# Altium PCB BW1098OBC.PcbDoc (part 3 of 3)
Units mm, origin at the board's own origin, x right, y up, seen from the top; angles counter-clockwise.
Board outline 100 x 46 mm, 4 copper layers (Top Copper, Layer 2, Layer 3, Bottom Layer), stack 1.577 mm thick; 138 components, 116 nets, 517 pads, 385 vias.
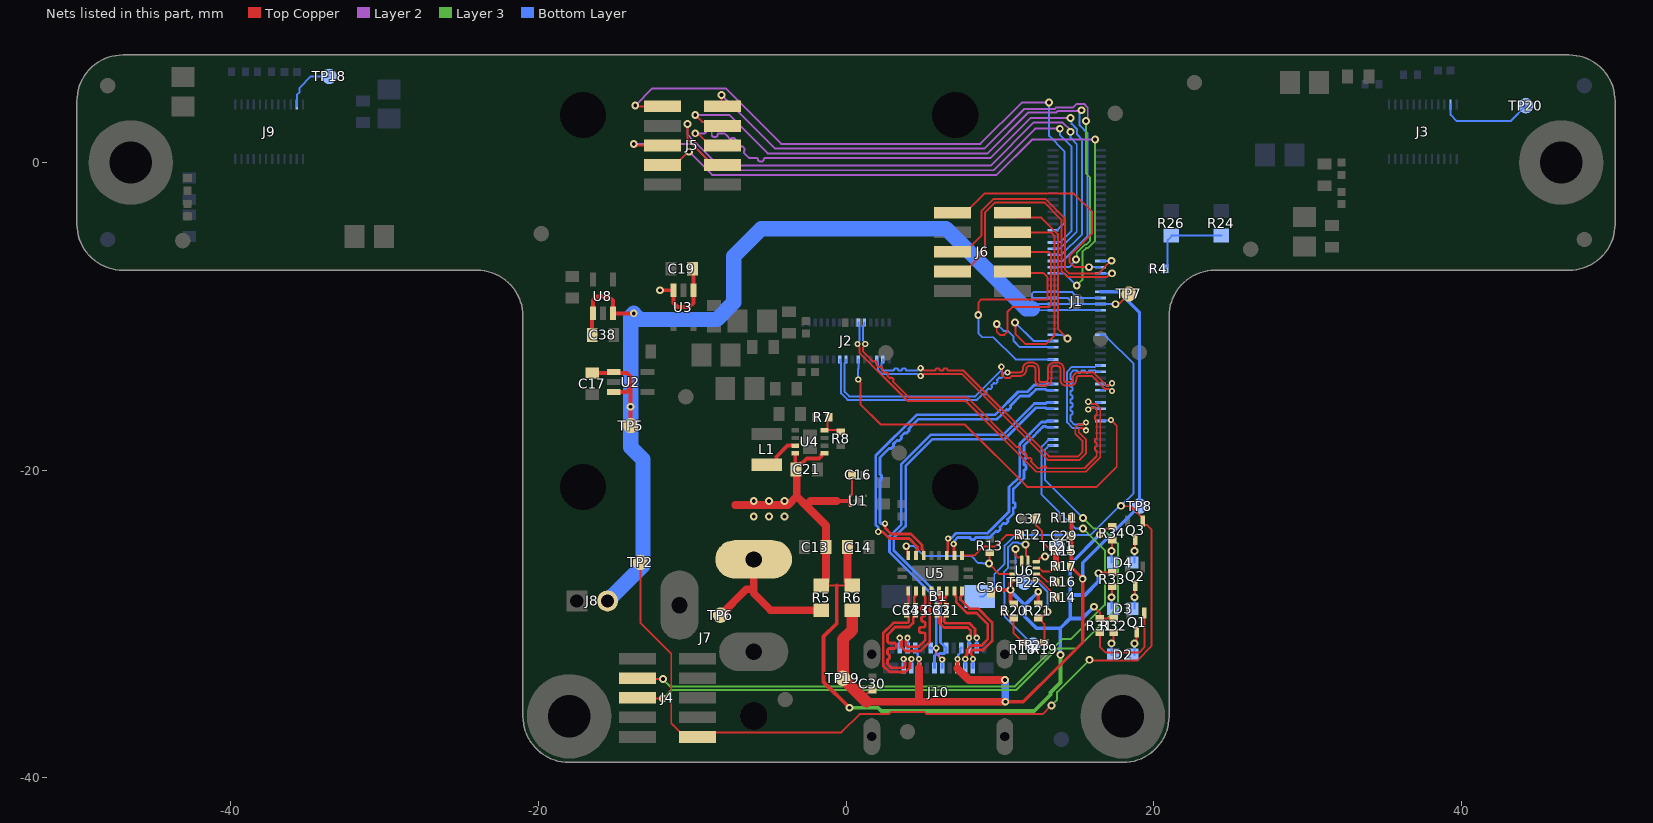
[diagram p5: the nets of this part, all layers, seen from the top]

## Via types
v1: diameter 0.508, hole 0.254, Top Copper to Bottom Layer, tented both sides, 256 vias
v2: diameter 0.406, hole 0.203, Top Copper to Bottom Layer, tented both sides, 111 vias
v3: diameter 0.508, hole 0.254, Top Copper to Bottom Layer, 16 vias
v4: diameter 0.3, hole 0.203, Top Copper to Bottom Layer, 2 vias

## Nets (pads, with @x,y where several pads share a name; then routed paths per layer and width w, separated by ;. In a path a pad name is that pad's centre, name@x,y a point inside that pad or via, vN(x,y) a via of type N, cw(c..) or ccw(c..) an arc to the next point about the centre after c; other vN are vias at no path point) (continued)
MIPI_RX4_D0_P: J1.11 J2.6 | length 26.3
  Top Copper w0.127: v2(0.8,-14.1) 0.8,-14.16 0.954,-14.314 0.954,-15.731 2.252,-17.029 7.729,-17.029 11.779,-21.079 16.296,-21.079 17.6,-19.775 17.6,-17.104 17.24,-16.743 v2(17.223,-16.743)
  Bottom Layer w0.127: v2(0.8,-14.1) 0.788,-14.088 0.788,-13.403 0.8,-13.391 J2.6@0.8,-12.8 ; J1.11@16.54,-16.8 16.566,-16.773 17.192,-16.773 v2(17.223,-16.743)
MIPI_RX4_D1_N: J1.15 J2.26 | length 26.9
  Top Copper w0.127: v2(1.253,-11.796) 1.253,-11.871 1.114,-12.01 1.114,-12.291 1.712,-12.888 1.758,-12.935 ccw(c1.785,-12.908) 1.812,-12.935 cw(c1.875,-12.998) 1.938,-12.935 1.992,-12.989 cw(c1.929,-13.052) 1.992,-13.114 ccw(c2.018,-13.141) 1.992,-13.168 2.117,-13.294 ccw(c2.144,-13.267) 2.171,-13.294 cw(c2.234,-13.357) 2.297,-13.294 2.351,-13.348 cw(c2.288,-13.411) 2.351,-13.474 ccw(c2.378,-13.501) 2.351,-13.527 2.476,-13.653 ccw(c2.503,-13.626) 2.53,-13.653 cw(c2.593,-13.716) 2.656,-13.653 2.71,-13.707 cw(c2.647,-13.77) 2.71,-13.833 ccw(c2.737,-13.86) 2.71,-13.887 2.836,-14.012 ccw(c2.863,-13.985) 2.89,-14.012 cw(c2.952,-14.075) 3.015,-14.012 3.069,-14.066 cw(c3.006,-14.129) 3.069,-14.192 ccw(c3.096,-14.219) 3.069,-14.246 3.222,-14.399 3.312,-14.488 4.095,-15.271 7.871,-15.271 11,-18.4 11.097,-18.497 ccw(c11.124,-18.47) 11.151,-18.497 cw(c11.214,-18.56) 11.277,-18.497 11.331,-18.551 cw(c11.268,-18.614) 11.331,-18.677 ccw(c11.358,-18.704) 11.331,-18.731 11.457,-18.857 ccw(c11.484,-18.83) 11.511,-18.857 cw(c11.573,-18.919) 11.636,-18.857 11.69,-18.911 cw(c11.627,-18.973) 11.69,-19.036 ccw(c11.717,-19.063) 11.69,-19.09 11.816,-19.216 ccw(c11.843,-19.189) 11.87,-19.216 cw(c11.933,-19.279) 11.995,-19.216 12.049,-19.27 cw(c11.986,-19.333) 12.049,-19.395 ccw(c12.076,-19.422) 12.049,-19.449 12.202,-19.602 12.382,-19.782 12.471,-19.871 12.511,-19.871 12.727,-19.871 ccw(c12.727,-19.833) 12.765,-19.833 cw(c12.854,-19.833) 12.854,-19.744 12.93,-19.744 cw(c12.93,-19.833) 13.019,-19.833 ccw(c13.057,-19.833) 13.057,-19.871 13.273,-19.871 13.4,-19.871 15.505,-19.871 16.3,-19.077 16.3,-19 16.3,-18.971 16.3,-18.755 ccw(c16.262,-18.755) 16.262,-18.717 cw(c16.262,-18.628) 16.173,-18.628 16.173,-18.552 cw(c16.262,-18.552) 16.262,-18.463 ccw(c16.262,-18.425) 16.3,-18.425 16.3,-18.247 ccw(c16.262,-18.247) 16.262,-18.209 cw(c16.262,-18.12) 16.173,-18.12 16.173,-18.044 cw(c16.262,-18.044) 16.262,-17.955 ccw(c16.262,-17.917) 16.3,-17.917 16.3,-17.701 16.3,-17.574 16.3,-16.822 16.3,-16.744 ccw(c16.262,-16.744) 16.262,-16.705 cw(c16.262,-16.617) 16.173,-16.617 16.173,-16.54 cw(c16.262,-16.54) 16.262,-16.451 ccw(c16.262,-16.413) 16.3,-16.413 16.3,-16.197 16.3,-16.07 16.144,-15.914 15.964,-15.914 15.825,-16.053 v2(15.75,-16.053)
  Bottom Layer w0.127: J2.26@1.2,-10.4 1.2,-10.54 1.114,-10.626 1.114,-10.889 1.114,-11.582 1.253,-11.721 v2(1.253,-11.796) ; v2(15.75,-16.053) 15.825,-16.053 15.964,-15.914 16.194,-15.914 16.28,-16 J1.15@16.54,-16
MIPI_RX4_D1_P: J1.17 J2.25 | length 26.4
  Top Copper w0.127: v2(0.747,-11.796) 0.747,-11.871 0.886,-12.01 0.886,-12.386 4,-15.5 7.777,-15.5 12.377,-20.1 15.6,-20.1 16.529,-19.171 16.529,-15.976 16.238,-15.686 15.964,-15.686 15.825,-15.547 v2(15.75,-15.547)
  Bottom Layer w0.127: v2(0.747,-11.796) 0.747,-11.721 0.886,-11.582 0.886,-10.984 0.886,-10.626 0.8,-10.54 J2.25@0.8,-10.4 ; v2(15.75,-15.547) 15.825,-15.547 15.964,-15.686 16.194,-15.686 16.28,-15.6 J1.17@16.54,-15.6
MIPI_RX5_D0_N: J1.21 J2.8 | length 26.4
  Top Copper w0.127: v2(10.1,-13.276) 10.069,-13.307 10.069,-13.425 10.133,-13.489 10.133,-13.793 10.348,-14.008 10.652,-14.008 10.79,-13.87 11.322,-13.87 ccw(c11.322,-13.471) 11.721,-13.471 11.721,-13.405 cw(c11.891,-13.405) 11.891,-13.235 12.135,-13.235 cw(c12.135,-13.405) 12.305,-13.405 12.305,-14.106 ccw(c12.704,-14.106) 12.704,-14.505 12.948,-14.505 ccw(c12.948,-14.106) 13.346,-14.106 13.346,-13.405 cw(c13.516,-13.405) 13.516,-13.235 13.76,-13.235 cw(c13.76,-13.405) 13.931,-13.405 13.931,-14.106 ccw(c14.329,-14.106) 14.329,-14.505 14.573,-14.505 ccw(c14.573,-14.106) 14.972,-14.106 14.972,-14.04 cw(c15.142,-14.04) 15.142,-13.87 15.97,-13.87 16.814,-14.714 17.086,-14.714 17.225,-14.853 v2(17.3,-14.853)
  Bottom Layer w0.127: J2.8@0,-12.8 0,-12.94 -0.086,-13.026 -0.086,-14.914 0.2,-15.2 8.416,-15.2 10.069,-13.547 10.069,-13.307 v2(10.1,-13.276) ; J1.21@16.54,-14.8 16.8,-14.8 16.886,-14.714 17.086,-14.714 17.225,-14.853 v2(17.3,-14.853)
MIPI_RX5_D0_P: J1.23 J2.9 | length 26.5
  Top Copper w0.127: v2(10.5,-13.641) 10.79,-13.641 11.322,-13.641 ccw(c11.322,-13.471) 11.492,-13.471 11.492,-13.405 cw(c11.891,-13.405) 11.891,-13.006 12.135,-13.006 cw(c12.135,-13.405) 12.534,-13.405 12.534,-14.106 ccw(c12.704,-14.106) 12.704,-14.276 12.948,-14.276 ccw(c12.948,-14.106) 13.118,-14.106 13.118,-13.405 cw(c13.516,-13.405) 13.516,-13.006 13.76,-13.006 cw(c13.76,-13.405) 14.159,-13.405 14.159,-14.106 ccw(c14.329,-14.106) 14.329,-14.276 14.573,-14.276 ccw(c14.573,-14.106) 14.743,-14.106 14.743,-14.04 cw(c15.142,-14.04) 15.142,-13.641 16.064,-13.641 16.909,-14.486 17.086,-14.486 17.225,-14.347 v2(17.3,-14.347)
  Bottom Layer w0.127: J2.9@-0.4,-12.8 -0.4,-12.94 -0.314,-13.026 -0.314,-15.009 0.105,-15.429 8.2,-15.429 8.384,-15.429 8.511,-15.429 8.542,-15.398 8.721,-15.218 8.874,-15.065 cw(c8.901,-15.092) 8.928,-15.065 ccw(c8.991,-15.003) 9.053,-15.065 9.107,-15.012 ccw(c9.044,-14.949) 9.107,-14.886 cw(c9.134,-14.859) 9.107,-14.832 9.233,-14.706 cw(c9.26,-14.733) 9.287,-14.706 ccw(c9.35,-14.643) 9.413,-14.706 9.467,-14.652 ccw(c9.404,-14.59) 9.467,-14.527 cw(c9.493,-14.5) 9.467,-14.473 9.592,-14.347 cw(c9.619,-14.374) 9.646,-14.347 ccw(c9.709,-14.284) 9.772,-14.347 9.826,-14.293 ccw(c9.763,-14.23) 9.826,-14.167 cw(c9.853,-14.141) 9.826,-14.114 9.951,-13.988 cw(c9.978,-14.015) 10.005,-13.988 ccw(c10.068,-13.925) 10.131,-13.988 10.185,-13.934 ccw(c10.122,-13.871) 10.185,-13.808 cw(c10.212,-13.781) 10.185,-13.754 10.248,-13.692 10.449,-13.692 v2(10.5,-13.641) ; J1.23@16.54,-14.4 16.8,-14.4 16.886,-14.486 17.086,-14.486 17.225,-14.347 v2(17.3,-14.347)
MIPI_RX5_D1_N: J1.27 J2.2 | length 26.8
  Top Copper w0.127: v2(4.852,-13.367) 4.927,-13.367 5.066,-13.506 5.7,-13.506 5.789,-13.506 ccw(c5.789,-13.467) 5.827,-13.467 cw(c5.916,-13.467) 5.916,-13.379 5.992,-13.379 cw(c5.992,-13.467) 6.081,-13.467 ccw(c6.119,-13.467) 6.119,-13.506 6.297,-13.506 ccw(c6.297,-13.467) 6.335,-13.467 cw(c6.424,-13.467) 6.424,-13.379 6.5,-13.379 cw(c6.5,-13.467) 6.589,-13.467 ccw(c6.627,-13.467) 6.627,-13.506 6.7,-13.506 7.606,-13.506 13.2,-19.1 15.1,-19.1 15.371,-18.829 15.371,-18.085 14.903,-17.617 14.903,-17.247 15.112,-17.039 15.386,-17.039 15.525,-16.9 v2(15.6,-16.9)
  Bottom Layer w0.127: J2.2@2.4,-12.8 2.4,-12.94 2.314,-13.026 2.314,-13.414 2.406,-13.506 3,-13.506 3.089,-13.506 ccw(c3.089,-13.467) 3.127,-13.467 cw(c3.216,-13.467) 3.216,-13.379 3.292,-13.379 cw(c3.292,-13.467) 3.381,-13.467 ccw(c3.419,-13.467) 3.419,-13.506 3.597,-13.506 ccw(c3.597,-13.467) 3.635,-13.467 cw(c3.724,-13.467) 3.724,-13.379 3.8,-13.379 cw(c3.8,-13.467) 3.889,-13.467 3.889,-13.506 3.9,-13.506 4.638,-13.506 4.776,-13.367 v2(4.852,-13.367) ; v2(15.6,-16.9) 15.525,-16.9 15.386,-17.039 14.839,-17.039 14.6,-16.8 14.6,-16.5 14.6,-16.435 cw(c14.638,-16.435) 14.638,-16.397 ccw(c14.638,-16.308) 14.727,-16.308 14.727,-16.232 ccw(c14.638,-16.232) 14.638,-16.143 cw(c14.638,-16.105) 14.6,-16.105 14.6,-15.927 cw(c14.638,-15.927) 14.638,-15.889 ccw(c14.638,-15.8) 14.727,-15.8 14.727,-15.724 ccw(c14.638,-15.724) 14.638,-15.635 cw(c14.638,-15.597) 14.6,-15.597 14.6,-15.419 cw(c14.638,-15.419) 14.638,-15.381 ccw(c14.638,-15.292) 14.727,-15.292 14.727,-15.216 ccw(c14.638,-15.216) 14.638,-15.127 cw(c14.638,-15.089) 14.6,-15.089 14.6,-15 14.6,-14.881 cw(c14.638,-14.881) 14.638,-14.843 ccw(c14.638,-14.754) 14.727,-14.754 14.727,-14.678 ccw(c14.638,-14.678) 14.638,-14.589 cw(c14.638,-14.551) 14.6,-14.551 14.6,-14.373 cw(c14.638,-14.373) 14.638,-14.335 ccw(c14.638,-14.246) 14.727,-14.246 14.727,-14.17 ccw(c14.638,-14.17) 14.638,-14.081 cw(c14.638,-14.043) 14.6,-14.043 14.6,-13.827 14.6,-13.7 14.786,-13.514 15,-13.514 cw(c15,-13.552) 15.038,-13.552 ccw(c15.127,-13.552) 15.127,-13.641 15.203,-13.641 ccw(c15.203,-13.552) 15.292,-13.552 cw(c15.33,-13.552) 15.33,-13.514 15.508,-13.514 cw(c15.508,-13.552) 15.546,-13.552 ccw(c15.635,-13.552) 15.635,-13.641 15.711,-13.641 ccw(c15.711,-13.552) 15.8,-13.552 cw(c15.838,-13.552) 15.838,-13.514 15.927,-13.514 16.194,-13.514 16.28,-13.6 J1.27@16.54,-13.6
MIPI_RX5_D1_P: J1.29 J2.3 | length 26.4
  Top Copper w0.127: v2(4.852,-13.873) 4.927,-13.873 5.066,-13.734 7.511,-13.734 13.105,-19.329 15.195,-19.329 15.6,-18.923 15.6,-17.991 15.132,-17.523 15.132,-17.342 15.206,-17.267 15.386,-17.267 15.525,-17.406 v2(15.6,-17.406)
  Bottom Layer w0.127: J2.3@2,-12.8 2,-12.94 2.086,-13.026 2.086,-13.509 2.311,-13.734 4.638,-13.734 4.776,-13.873 v2(4.852,-13.873) ; v2(15.6,-17.406) 15.525,-17.406 15.386,-17.267 14.744,-17.267 14.371,-16.895 14.371,-13.605 14.691,-13.286 15.832,-13.286 16.194,-13.286 16.28,-13.2 J1.29@16.54,-13.2
MODULE_nRST: B1.2 J1.39 J4.1 Q3.1 TP2.1 | length 81.4
  Top Copper w0.127: TP2.1@-13.372,-25.993 -13.372,-29.928 -11.36,-31.94 -11.36,-36.45 -10.47,-37.34 J4.1@-9.65,-37.34 -9.349,-37.039 -0.295,-37.039 0.882,-35.862 2.781,-35.862 2.938,-35.704 5.1,-35.704 5.258,-35.862 12.787,-35.862 v1(13.355,-35.295) ; v1(15.832,-32.326) 15.878,-32.372 18.919,-32.372 19.866,-31.426 19.866,-23.856 19.56,-23.55 19.386,-23.55 19.3,-23.464 Q3.1@19.3,-23.29 19.3,-23.116 18.528,-22.345 17.909,-22.345 v1(17.88,-22.316)
  Layer 3 w0.127: v1(13.355,-35.295) 13.731,-34.918 13.731,-34.427 v1(15.832,-32.326)
  Bottom Layer w0.127: B1.2@8.7,-28.2 8.95,-28.2 9.637,-27.513 9.637,-26.754 10.317,-26.073 10.317,-24.906 11.024,-24.2 15.901,-24.2 17.785,-22.316 v1@17.875,-22.316 ; J1.39@16.54,-11.2 16.8,-11.2 16.947,-11.347 16.958,-11.347 18.7,-13.089 18.7,-21.49 v1@17.875,-22.316 ; v1(17.88,-22.316) v1@17.875,-22.316
NetD2_1: D2.1 Q1.3 | length 1.6
  Top Copper w0.127: v1(18.756,-31.261) 18.756,-31.158 18.9,-31.014 Q1.3@18.9,-30.51
  Bottom Layer w0.127: D2.1@18.744,-32.006 18.756,-31.994 v1(18.756,-31.261)
NetD2_2: D2.2 R32.1 | length 1.5
  Top Copper w0.127: v1(17.262,-31.255) 17.262,-31.152 17.4,-31.014 R32.1@17.4,-30.55
  Bottom Layer w0.127: D2.2@17.25,-32 17.262,-31.988 v1(17.262,-31.255)
NetD3_1: D3.1 Q2.3 | length 1.5
  Top Copper w0.127: v1(18.756,-28.261) 18.8,-28.217 Q2.3@18.8,-27.51
  Bottom Layer w0.127: D3.1@18.744,-29.006 18.756,-28.994 v1(18.756,-28.261)
NetD3_2: D3.2 R33.1 | length 1.5
  Top Copper w0.127: v1(17.256,-28.261) 17.3,-28.217 R33.1@17.3,-27.55
  Bottom Layer w0.127: D3.2@17.244,-29.006 17.256,-28.994 v1(17.256,-28.261)
NetD4_1: D4.1 Q3.3 | length 1.5
  Top Copper w0.127: v1(18.756,-25.261) 18.8,-25.217 Q3.3@18.8,-24.51
  Bottom Layer w0.127: D4.1@18.744,-26.006 18.756,-25.994 v1(18.756,-25.261)
NetD4_2: D4.2 R34.1 | length 1.5
  Top Copper w0.127: v1(17.256,-25.261) 17.3,-25.217 R34.1@17.3,-24.55
  Bottom Layer w0.127: D4.2@17.244,-26.006 17.256,-25.994 v1(17.256,-25.261)
NetJ7_1: J7.1 R5.1 TP6.1 | length 9.9
  Top Copper w0.508: TP6.1@-8.161,-29.422 -6.482,-27.743 -6,-27.743 ; J7.1@-6,-25.8 -6,-27.743 ; R5.1@-1.6,-29.1 -4.9,-29.1 -6,-28 -6,-27.743
NetL1_1: L1.1 U4.7 | length 2.5
  Top Copper w0.254: L1.1@-5.15,-19.65 -4.87,-19.65 -4.534,-19.313 -4.534,-19.134 -3.8,-18.4 U4.7@-3.3,-18.4
NetQ1_1: Q1.1 R31.1 | length 6.3
  Top Copper w0.127: R31.1@16.5,-30.55 16.5,-31.469 16.883,-31.852 19.053,-31.852 19.4,-31.506 Q1.1@19.4,-29.29
NetR4_2: R4.2 R24.1 R26.1 | length 5.6
  Bottom Layer w0.127: R4.2@20.75,-6.9 20.912,-6.738 20.912,-5.038 R26.1@21.2,-4.75 ; R26.1@21.15,-4.75 R26.1@21.2,-4.75 ; 22.8,-4.75 22.75,-4.75 ; R24.1@24.4,-4.75 22.75,-4.75 ; R26.1@21.2,-4.75 22.75,-4.75
NetR7_1: R7.1 R8.2 U4.4 | length 2
  Top Copper w0.127: U4.4@-1.4,-17.4 U4.4@-1.29,-17.4 ; R7.1@-1.1,-16.55 -1.2,-16.65 -1.2,-17.2 -1.214,-17.213 -1.214,-17.323 U4.4@-1.29,-17.4 ; R8.2@-0.35,-17.5 -0.45,-17.4 U4.4@-1.29,-17.4
NetR12_1: R12.1 U5.2 | length 4.4
  Top Copper w0.127: U5.2@7.55,-25.55 8.328,-25.55 8.926,-24.952 9.702,-24.952 10.454,-24.2 R12.1@11.35,-24.2
NetR13_1: R13.1 U5.9 U6.11 | length 9
  Top Copper w0.127: v1(3.917,-24.94) 3.989,-25.011 3.989,-25.488 U5.9@4.05,-25.55 ; R13.1@9.343,-25.368 9.343,-26.117 9.976,-26.75 U6.11@10.875,-26.75
  Bottom Layer w0.127: v1(3.917,-24.94) 4.428,-24.94 5.077,-25.59 8.163,-25.59 8.611,-26.038 8.873,-26.038 8.898,-26.063 v1(9.289,-26.063)
NetR18_1: R18.1 R20.1 TP23.1 U6.7 | length 12.3
  Top Copper w0.127: v1(10.3,-29.2) 10.578,-29.478 10.778,-29.478 R20.1@10.9,-29.6 10.9,-30.6 11.288,-30.988 11.288,-31.038 11.45,-31.2 R18.1@11.5,-31.2 ; v1(11.66,-24.839) 11.688,-24.867 11.688,-25.539 11.763,-25.613 11.788,-25.613 11.825,-25.65 U6.7@11.825,-25.9
  Bottom Layer w0.127: v1(11.66,-24.839) 11.587,-24.766 11.251,-24.766 11.188,-24.703 10.842,-24.703 10.544,-25 10.544,-26.343 10.282,-26.605 10.282,-27.949 10.3,-27.966 v1(10.3,-29.2) 10.333,-29.233 10.333,-29.542 TP23.1@12.162,-31.371
NetR19_1: R19.1 R21.1 TP22.1 U6.8 | length 9.1
  Top Copper w0.127: v1@11.016,-25.121 11.016,-25.49 11.209,-25.684 11.388,-25.684 11.425,-25.72 U6.8@11.425,-25.9 ; R19.1@12.9,-31.2 12.9,-30 12.712,-29.811 12.712,-29.761 12.55,-29.6 R21.1@12.5,-29.6 12.622,-29.478 12.822,-29.478 v1(13.1,-29.2)
  Bottom Layer w0.127: v1(11.015,-25.12) 11.015,-26.715 TP22.1@11.6,-27.3 12.49,-27.3 13.1,-27.91 v1(13.1,-29.2)
NetTP21_1: TP21.1 U6.6 | length 1.8
  Top Copper w0.127: U6.6@12.375,-25.95 12.506,-25.95 12.543,-25.913 12.543,-25.782 12.637,-25.687 12.87,-25.687 v1(12.941,-25.617)
  Bottom Layer w0.127: v1(12.941,-25.617) 13.011,-25.546 13.245,-25.546 TP21.1@13.748,-25.044
RXB_N: J10.B10 U5.18 | length 7.2
  Top Copper w0.178: U5.18@7.05,-27.85 7.086,-27.886 7.086,-28.174 7.16,-28.248 7.16,-28.56 7.879,-29.279 8.479,-29.279 9.221,-30.021 9.221,-30.984 8.802,-31.402 8.138,-31.402 7.86,-31.68 7.86,-31.991 7.794,-32.058 7.794,-32.222 v2(7.75,-32.266)
  Bottom Layer w0.178: J10.B10@7.75,-32.85 v2(7.75,-32.266)
RXB_P: J10.B11 U5.19 | length 7.2
  Top Copper w0.178: U5.19@7.55,-27.85 7.514,-27.886 7.514,-28.174 7.44,-28.248 7.44,-28.417 8.023,-29 8.595,-29 9.5,-29.905 9.5,-31.1 8.918,-31.682 8.254,-31.682 8.14,-31.796 8.14,-31.991 8.206,-32.058 8.206,-32.222 v2(8.25,-32.266)
  Bottom Layer w0.178: J10.B11@8.25,-32.85 v2(8.25,-32.266)
RXC_N: J10.A10 U5.14 | length 7.1
  Top Copper w0.178: v2(4.004,-30.9) 4.004,-30.962 3.89,-31.076 3.89,-31.37 3.994,-31.474 4.726,-31.474 5.1,-31.1 5.16,-31.04 5.16,-30.915 5.16,-30.684 ccw(c5.036,-30.684) 5.036,-30.559 4.882,-30.559 cw(c4.882,-30.435) 4.758,-30.435 4.758,-30.328 cw(c4.882,-30.328) 4.882,-30.204 5.036,-30.204 ccw(c5.036,-30.079) 5.16,-30.079 5.16,-29.972 ccw(c5.036,-29.972) 5.036,-29.848 cw(c5.036,-29.724) 4.911,-29.724 4.911,-29.617 cw(c5.036,-29.617) 5.036,-29.492 ccw(c5.036,-29.368) 5.16,-29.368 5.16,-29.261 ccw(c5.036,-29.261) 5.036,-29.137 cw(c5.036,-29.012) 4.911,-29.012 4.911,-28.906 cw(c5.036,-28.906) 5.036,-28.781 ccw(c5.036,-28.657) 5.16,-28.657 5.16,-28.426 5.16,-28.248 5.086,-28.174 5.086,-27.886 U5.14@5.05,-27.85
  Bottom Layer w0.178: J10.A10@4,-31.55 4,-30.904 v2(4.004,-30.9)
RXC_P: J10.A11 U5.15 | length 6.8
  Top Copper w0.178: v2(3.496,-30.9) 3.496,-30.962 3.61,-31.076 3.61,-31.486 3.878,-31.753 4.842,-31.753 5.44,-31.155 5.44,-28.248 5.514,-28.174 5.514,-27.886 U5.15@5.55,-27.85
  Bottom Layer w0.178: v2(3.496,-30.9) 3.5,-30.904 J10.A11@3.5,-31.55
SD_HST0_CD: J1.59 J6.7 | length 18.5
  Top Copper w0.127: J6.7@6.928,-7.077 7.748,-7.077 9.023,-5.801 9.023,-3.26 9.701,-2.582 12.873,-2.582 14.002,-3.712 14.002,-7.023 14.423,-7.444 16.952,-7.444 17.197,-7.2 v1(17.3,-7.2)
  Bottom Layer w0.127: J1.59@16.54,-7.2 v1(17.3,-7.2)
SD_HST0_CLK: J1.61 J6.1 | length 16.1
  Top Copper w0.127: J6.1@6.928,-3.267 7.748,-3.267 8.997,-2.017 14.817,-2.017 16,-3.2 16,-4.6 14.533,-6.067 14.533,-6.473 14.86,-6.8 v1(15.8,-6.8)
  Bottom Layer w0.127: v1(15.8,-6.8) J1.61@16.54,-6.8
SD_HST0_CMD: J1.63 J6.5 | length 17.7
  Top Copper w0.127: J6.5@6.928,-5.807 7.748,-5.807 8.796,-4.758 8.796,-3.166 9.607,-2.355 12.967,-2.355 14.229,-3.618 14.229,-6.929 14.517,-7.217 16.385,-7.217 17.217,-6.385 v1(17.26,-6.385)
  Bottom Layer w0.127: J1.63@16.54,-6.4 17.246,-6.4 v1(17.26,-6.385)
SD_HST0_D0: J1.40 J6.2 | length 11.6
  Top Copper w0.127: J6.2@10.828,-3.267 11.145,-3.583 12.704,-3.583 13.775,-4.654 13.775,-10.813 v1(14.408,-11.446)
  Bottom Layer w0.127: J1.40@13.46,-11.2 14.06,-11.2 14.305,-11.446 v1(14.408,-11.446)
SD_HST0_D1: J1.38 J6.4 | length 16
  Top Copper w0.127: J6.4@10.828,-4.537 13.337,-4.537 13.548,-4.748 13.548,-11.252 13,-11.8 11.7,-11.8 11.017,-11.117 11.017,-10.427 v1(10.99,-10.4)
  Bottom Layer w0.127: v1(10.99,-10.4) 12.19,-11.6 J1.38@13.46,-11.6
SD_HST0_D2: J1.36 J6.6 | length 16
  Top Copper w0.127: v1(9.8,-10.5) 9.8,-11 10,-11.2 10.3,-11.2 10.5,-11 10.5,-9.7 10.8,-9.4 13.2,-9.4 13.321,-9.279 13.321,-5.921 13.207,-5.807 J6.6@10.828,-5.807
  Bottom Layer w0.127: v1(9.8,-10.5) 10.248,-10.948 10.525,-10.948 10.9,-11.323 10.9,-11.6 11.3,-12 J1.36@13.46,-12
SD_HST0_D3: J1.32 J6.8 | length 16
  Top Copper w0.127: v1(8.6,-9.9) 8.6,-9.1 8.8,-8.9 13.094,-8.9 13.094,-7.425 12.85,-7.181 10.932,-7.181 J6.8@10.828,-7.077
  Bottom Layer w0.127: v1(8.6,-9.9) 8.6,-11.1 8.858,-11.358 9.579,-11.358 11.021,-12.8 J1.32@13.46,-12.8
SPI_SCK: J1.74 J5.1 | length 40.9
  Top Copper w0.127: v1(-13.7,3.7) -13.653,3.653 J5.1@-11.932,3.653
  Layer 2 w0.127: v1(-13.7,3.7) -12.583,4.817 -7.817,4.817 -4.215,1.215 8.74,1.215 11.425,3.9 v1(13.2,3.9)
  Bottom Layer w0.127: v1(13.2,3.9) 13.2,1.731 14.201,0.731 14.201,-3.931 13.878,-4.253 13.867,-4.253 13.72,-4.4 J1.74@13.46,-4.4
SPI_SIO0: J1.62 J5.2 | length 39.6
  Top Copper w0.127: v1(-8.1,4.4) -8.1,3.721 J5.2@-8.032,3.653
  Layer 2 w0.127: v1(-8.1,4.4) -4.6,0.9 9,0.9 11.582,3.482 13.582,3.482 13.682,3.582 14.773,3.582 15.008,3.818 15.473,3.818 15.717,3.573 15.717,2.921 15.6,2.803 v1(15.6,2.7)
  Layer 3 w0.127: v1(14.951,-6.3) 15.002,-6.249 15.002,-5.856 15.522,-5.335 15.615,-5.335 15.875,-5.075 15.875,-0.978 15.6,-0.703 v1(15.6,2.7)
  Bottom Layer w0.127: J1.62@13.46,-6.8 14.5,-6.8 14.951,-6.349 v1(14.951,-6.3) ; v1@15.572,2.673 v1(15.6,2.7)
SPI_SIO1: J1.64 J5.4 | length 40.7
  Top Copper w0.127: v1(-9.8,3.1) -9.348,2.648 -8.297,2.648 J5.4@-8.032,2.383
  Layer 2 w0.127: v1(-9.8,3.1) -7.6,3.1 -5.1,0.6 9.2,0.6 11.855,3.255 13.677,3.255 13.777,3.356 15.255,3.356 v1(15.3,3.4)
  Bottom Layer w0.127: J1.64@13.46,-6.4 14.1,-6.4 15.7,-4.8 15.7,1.9 15.182,2.418 15.182,3.179 15.3,3.297 v1(15.3,3.4)
SPI_SIO2: J1.66 J5.6 | length 40.3
  Top Copper w0.127: v1(-9.8,1.9) -9.727,1.827 -9.566,1.827 -8.852,1.113 J5.6@-8.032,1.113
  Layer 2 w0.127: v1(-9.8,1.9) -9.3,1.9 -9.205,1.9 ccw(c-9.205,1.995) -9.109,1.995 cw(c-8.976,1.995) -8.976,2.129 -8.862,2.129 cw(c-8.862,1.995) -8.728,1.995 -8.728,1.9 -8.728,1.805 ccw(c-8.595,1.805) -8.595,1.671 -8.481,1.671 ccw(c-8.481,1.805) -8.347,1.805 cw(c-8.252,1.805) -8.252,1.9 -7.966,1.9 -7.9,1.9 -7.765,1.765 -7.563,1.563 ccw(c-7.496,1.631) -7.429,1.563 cw(c-7.334,1.469) -7.24,1.563 -7.159,1.482 cw(c-7.253,1.388) -7.159,1.294 -7.226,1.226 -7.294,1.159 ccw(c-7.2,1.065) -7.294,0.971 -7.213,0.89 ccw(c-7.119,0.984) -7.024,0.89 -6.957,0.957 -6.89,1.024 cw(c-6.795,0.93) -6.701,1.024 -6.62,0.944 cw(c-6.715,0.849) -6.62,0.755 ccw(c-6.553,0.688) -6.62,0.62 -6.418,0.418 -6.3,0.3 -6.11,0.3 -5.824,0.3 cw(c-5.824,0.205) -5.729,0.205 ccw(c-5.595,0.205) -5.595,0.071 -5.481,0.071 ccw(c-5.481,0.205) -5.348,0.205 cw(c-5.252,0.205) -5.252,0.3 -5.2,0.3 9.4,0.3 12,2.9 v1(14.6,2.9)
  Bottom Layer w0.127: J1.66@13.46,-6 14.001,-5.999 15.35,-4.65 15.35,1.495 15.017,1.827 15.017,2.173 14.673,2.518 14.673,2.862 v1@14.635,2.9
SPI_SIO3: J1.68 J5.8 | length 40.6
  Top Copper w0.127: v1(-10.3,2.5) -10.3,1.5 -9.135,0.335 -9.135,0.159 -8.819,-0.157 J5.8@-8.032,-0.157
  Layer 2 w0.127: v1(-10.3,2.5) -10.3,1.81 -9.917,1.427 -9.906,1.427 -8.279,-0.2 9.4,-0.2 12.217,2.617 14.073,2.617 14.6,2.09 v1(14.6,2)
  Bottom Layer w0.127: J1.68@13.46,-5.6 13.487,-5.573 13.926,-5.573 15,-4.5 15,1.2 14.6,1.6 v1(14.6,2)
SPI_SS_0: J1.70 J5.5 | length 39.9
  Top Copper w0.127: v1(-13.8,1.2) -13.697,1.2 -13.61,1.113 J5.5@-11.932,1.113
  Layer 2 w0.127: v1(-13.8,1.2) -10,1.2 -8.3,-0.5 9.6,-0.5 12.3,2.2 v1(13.9,2.2)
  Bottom Layer w0.127: J1.70@13.46,-5.2 13.487,-5.173 13.926,-5.173 14.65,-4.45 14.65,1.05 13.9,1.8 v1(13.9,2.2)
SPI_SS_1: J1.60 J5.7 | length 42.1
  Top Copper w0.127: J5.7@-11.932,-0.157 -11.112,-0.157 -10.255,0.7 v1(-10.2,0.7)
  Layer 2 w0.127: v1(-10.2,0.7) -8.7,-0.8 9.8,-0.8 12.1,1.5 v1(16.2,1.5)
  Layer 3 w0.127: v1(15,-8) 15.368,-7.632 15.368,-5.81 15.617,-5.562 15.709,-5.562 16.2,-5.071 16.2,1.402 16.102,1.5 v1(16.2,1.5)
  Bottom Layer w0.127: J1.60@13.46,-7.2 14.2,-7.2 v1(15,-8)
STRB2: J9.14 TP18.1 | length 3.5
  Bottom Layer w0.127: J9.14@-35.7,3.64 -35.7,4.409 -35.527,4.582 -35.527,4.863 -34.79,5.6 TP18.1@-33.6,5.6
STROBE1: J3.14 TP20.1 | length 6.2
  Bottom Layer w0.127: J3.14@39.3,3.775 39.3,3.1 39.7,2.7 43.2,2.7 TP20.1@44.2,3.7
TXB1_N: C32.2 U5.16 | length 1.1
  Top Copper w0.178: C32.2@5.925,-28.82 5.925,-28.8 6.086,-28.639 6.086,-27.886 U5.16@6.05,-27.85
TXB1_P: C31.2 U5.17 | length 1.1
  Top Copper w0.178: C31.2@6.525,-28.82 6.454,-28.749 6.454,-28.639 6.44,-28.625 6.44,-28.248 6.514,-28.174 6.514,-27.886 U5.17@6.55,-27.85
TXB_N: C32.1 J10.A3 | length 4
  Top Copper w0.178: C32.1@5.925,-29.38 5.925,-29.4 6.085,-29.56 6.085,-29.942 6.37,-30.227 7.907,-30.227 8.11,-30.43 8.11,-30.724 7.996,-30.838 v2(7.996,-30.9)
  Bottom Layer w0.178: v2(7.996,-30.9) 8,-30.904 J10.A3@8,-31.55
TXB_P: C31.1 J10.A2 | length 4
  Top Copper w0.178: C31.1@6.525,-29.38 6.525,-29.4 6.365,-29.56 6.365,-29.827 6.485,-29.947 8.023,-29.947 8.39,-30.314 8.39,-30.724 8.504,-30.838 v2(8.504,-30.9)
  Bottom Layer w0.178: J10.A2@8.5,-31.55 8.5,-30.904 v2(8.504,-30.9)
TXC1_N: C34.2 U5.12 | length 1.1
  Top Copper w0.178: C34.2@3.925,-28.82 3.925,-28.8 4.086,-28.639 4.086,-27.886 U5.12@4.05,-27.85
TXC1_P: C33.2 U5.13 | length 1.1
  Top Copper w0.178: C33.2@4.525,-28.82 4.454,-28.749 4.454,-28.639 4.44,-28.625 4.44,-28.248 4.514,-28.174 4.514,-27.886 U5.13@4.55,-27.85
TXC_N: C34.1 J10.B3 | length 7.8
  Top Copper w0.178: C34.1@3.925,-29.43 3.955,-29.43 4.085,-29.56 4.085,-29.827 3.991,-29.921 3.084,-29.921 2.421,-30.584 2.421,-32.716 2.824,-33.119 3.872,-33.119 4.14,-32.851 4.14,-32.541 4.206,-32.474 4.206,-32.31 v2(4.25,-32.266)
  Bottom Layer w0.178: J10.B3@4.25,-32.85 v2(4.25,-32.266)
TXC_P: C33.1 J10.B2 | length 7.9
  Top Copper w0.178: v2(3.75,-32.266) 3.794,-32.31 3.794,-32.474 3.86,-32.541 3.86,-32.736 3.756,-32.84 3.6,-32.84 3.473,-32.84 3.118,-32.84 2.94,-32.84 2.7,-32.6 2.7,-32.3 ccw(c2.7,-32.176) 2.824,-32.176 2.824,-32.069 ccw(c2.7,-32.069) 2.7,-31.945 2.7,-31.713 cw(c2.824,-31.713) 2.824,-31.589 3.133,-31.589 ccw(c3.133,-31.465) 3.257,-31.465 3.257,-31.358 ccw(c3.133,-31.358) 3.133,-31.233 2.824,-31.233 cw(c2.824,-31.109) 2.7,-31.109 2.7,-30.878 2.7,-30.7 2.823,-30.577 3.074,-30.326 3.2,-30.2 3.218,-30.2 3.574,-30.2 3.929,-30.2 4.107,-30.2 4.365,-29.942 4.365,-29.56 4.495,-29.43 C33.1@4.525,-29.43
  Bottom Layer w0.178: J10.B2@3.75,-32.85 v2(3.75,-32.266)
UART_RX: J1.4 J4.6 | length 46.9
  Top Copper w0.127: J4.6@-13.55,-34.8 -13.324,-34.8 -13.276,-34.849 v1(-11.914,-34.849)
  Layer 3 w0.127: v1(-11.914,-34.849) -11.354,-34.288 11.064,-34.288 13.768,-31.584 15.025,-31.584 17.673,-28.936 17.673,-24.778 16.671,-23.775 16.075,-23.775 v1(15.4,-23.1)
  Bottom Layer w0.127: J1.4@13.46,-18.4 13.2,-18.4 13.053,-18.547 13.042,-18.547 12.946,-18.642 12.946,-20.646 v1(15.4,-23.1)
UART_TX: J1.6 J4.8 | length 46
  Top Copper w0.127: J4.8@-13.55,-33.53 -13.324,-33.53 -13.276,-33.578 v1(-11.902,-33.578)
  Layer 3 w0.127: v1(-11.902,-33.578) -11.419,-34.061 10.97,-34.061 14.046,-30.985 14.604,-30.985 16.833,-28.755 16.833,-25.217 v1(15.398,-23.782)
  Bottom Layer w0.127: J1.6@13.46,-18 13.2,-18 13.053,-18.146 13.042,-18.146 12.719,-18.469 12.719,-21.59 14.911,-23.782 v1(15.398,-23.782)
USB_CM: R14.1 U6.3 | length 1.8
  Top Copper w0.127: U6.3@12.375,-27.15 12.411,-27.186 12.636,-27.186 13.65,-28.2 R14.1@13.65,-28.25
USB_D_N: J1.18 J10.A7 J10.B7 | length 26.9
  Layer 2 w0.178: v2(5.87,-31.57) 5.87,-31.925 v2(6.25,-32.305)
  Bottom Layer w0.178: J10.A7@5.5,-31.55 5.52,-31.57 v2(5.87,-31.57) 5.87,-28.37 2.821,-25.321 2.821,-24.301 3.6,-23.522 3.6,-19.605 5.505,-17.7 10.205,-17.7 12.245,-15.66 12.983,-15.66 13.042,-15.601 J1.18@13.46,-15.6 J1.18@13.46,-15.6 ; J10.B7@6.25,-32.85 v2(6.25,-32.305)
USB_D_P: J1.16 J10.A6 J10.B6 | length 26.6
  Bottom Layer w0.178: J10.B6@5.75,-32.85 5.75,-32.067 5.839,-31.978 5.839,-31.962 6.033,-31.962 6.082,-31.913 6.387,-31.913 6.5,-31.8 J10.A6@6.5,-31.55 6.15,-31.2 6.15,-28.254 3.1,-25.205 3.1,-24.417 3.879,-23.638 3.879,-19.721 5.621,-17.979 10.321,-17.979 12.36,-15.94 12.983,-15.94 13.042,-15.999 J1.16@13.46,-16 J1.16@13.46,-16
USB_PORT: R16.1 U6.4 | length 1.5
  Top Copper w0.127: U6.4@12.375,-26.75 12.411,-26.786 12.607,-26.786 13.071,-27.25 R16.1@13.65,-27.25
USB_RX_N: J1.12 U5.4 | length 13.3
  Top Copper w0.178: U5.4@6.55,-25.55 6.55,-25.375 6.608,-25.317 6.608,-24.476 v2(6.642,-24.442)
  Bottom Layer w0.178: v2(6.642,-24.442) 6.686,-24.398 6.846,-24.398 7.144,-24.1 9.2,-24.1 10.6,-22.7 10.6,-21.1 11.3,-20.4 11.3,-18.28 12.72,-16.86 12.983,-16.86 13.042,-16.801 13.459,-16.801 J1.12@13.46,-16.8
USB_RX_P: J1.10 U5.3 | length 13.6
  Top Copper w0.178: v2(7,-24.8) 7.025,-24.825 7.025,-25.525 U5.3@7.05,-25.55
  Bottom Layer w0.178: v2(7,-24.8) 7.044,-24.756 7.044,-24.596 7.26,-24.379 7.36,-24.379 7.716,-24.379 8.071,-24.379 ccw(c8.196,-24.379) 8.196,-24.504 8.302,-24.504 ccw(c8.302,-24.379) 8.427,-24.379 8.782,-24.379 9.138,-24.379 9.316,-24.379 9.496,-24.199 9.748,-23.947 ccw(c9.836,-23.859) 9.924,-23.947 9.999,-23.872 ccw(c9.911,-23.784) 9.999,-23.696 10.251,-23.444 ccw(c10.339,-23.356) 10.427,-23.444 10.502,-23.369 ccw(c10.414,-23.281) 10.502,-23.193 10.754,-22.941 10.879,-22.816 10.879,-22.46 ccw(c10.879,-22.336) 11.004,-22.336 11.004,-22.229 ccw(c10.879,-22.229) 10.879,-22.105 10.879,-21.749 10.879,-21.394 10.879,-21.216 10.951,-21.144 11.202,-20.893 11.454,-20.641 11.579,-20.516 11.579,-20.351 11.579,-19.996 ccw(c11.579,-19.871) 11.704,-19.871 11.704,-19.765 ccw(c11.579,-19.765) 11.579,-19.64 11.579,-19.285 ccw(c11.579,-19.16) 11.704,-19.16 11.704,-19.053 ccw(c11.579,-19.053) 11.579,-18.929 11.579,-18.573 11.579,-18.396 11.707,-18.268 11.959,-18.016 12.21,-17.765 12.462,-17.513 12.587,-17.387 12.835,-17.14 12.983,-17.14 13.042,-17.199 13.459,-17.199 J1.10@13.46,-17.2
USB_TX_N: J1.24 U5.8 | length 22.1
  Top Copper w0.178: v2(2.1,-24) 2.111,-24.011 2.397,-24.011 2.819,-24.433 4.11,-24.433 4.66,-24.983 4.66,-25.152 4.586,-25.226 4.586,-25.514 U5.8@4.55,-25.55
  Bottom Layer w0.178: v2(2.1,-24) 2.089,-23.989 2.089,-23.702 1.93,-23.544 1.93,-19.061 4.591,-16.4 9.7,-16.4 11.2,-14.9 11.797,-14.9 12.236,-14.46 12.983,-14.46 13.042,-14.401 J1.24@13.46,-14.4 J1.24@13.46,-14.4
USB_TX_P: J1.22 U5.7 | length 22.2
  Top Copper w0.178: v2(2.54,-23.473) 2.551,-23.484 2.551,-23.77 2.935,-24.154 4.226,-24.154 4.94,-24.867 4.94,-25.152 5.014,-25.226 5.014,-25.514 U5.7@5.05,-25.55
  Bottom Layer w0.178: v2(2.54,-23.473) 2.528,-23.461 2.242,-23.461 2.21,-23.428 2.21,-20.9 2.21,-20.633 ccw(c2.21,-20.532) 2.311,-20.532 2.311,-20.379 ccw(c2.21,-20.379) 2.21,-20.278 2.21,-20.1 2.21,-19.176 2.243,-19.143 2.318,-19.068 2.569,-18.817 2.821,-18.565 ccw(c2.893,-18.493) 2.964,-18.565 3.072,-18.457 ccw(c3,-18.386) 3.072,-18.314 3.324,-18.062 ccw(c3.395,-17.991) 3.467,-18.062 3.575,-17.955 ccw(c3.503,-17.883) 3.575,-17.811 3.827,-17.559 ccw(c3.898,-17.488) 3.97,-17.559 4.078,-17.452 ccw(c4.006,-17.38) 4.078,-17.308 4.329,-17.057 4.581,-16.805 4.707,-16.679 9.816,-16.679 10.098,-16.398 10.184,-16.311 10.436,-16.059 ccw(c10.508,-15.988) 10.579,-16.059 10.687,-15.952 ccw(c10.615,-15.88) 10.687,-15.808 10.939,-15.557 11.19,-15.305 11.316,-15.179 11.912,-15.179 12.352,-14.74 12.983,-14.74 13.042,-14.799 J1.22@13.46,-14.8 J1.22@13.46,-14.8
VBUS: C29.2 C30.2 J1.53 J10.A4 J10.A9 J10.B4 J10.B9 R6.1 R11.2 R15.1 R17.1 TP8.1 TP19.1 | length 65.2
  Top Copper w0.127: 1.329,-35.055 1.329,-34.563 C30.2@1.721,-34.171
  Top Copper w0.203: 4.75,-32.85 v2(4.75,-32.266) ; 7.25,-32.898 v2(7.25,-32.266) ; v1(10.357,-35.055) 11.531,-35.055 12.368,-34.219 12.368,-34.21 12.635,-33.943 12.644,-33.943 15.388,-31.199 v1(15.388,-27.06) 15.388,-27.038 14.773,-26.423 14.723,-26.423 14.6,-26.3 R17.1@14.6,-26.25
  Top Copper w0.254: R17.1@14.6,-26.25 14.65,-26.2 14.65,-25.25 C29.2@14.65,-24.25 ; C29.2@14.6,-24.25 C29.2@14.65,-24.25 ; R11.2@14.65,-23.1 C29.2@14.65,-24.25
  Top Copper w0.508: 1.329,-35.055 4.75,-35.055 ; 4.752,-32.852 4.75,-32.85 4.75,-35.055 ; 7.25,-32.898 7.996,-33.644 v1(10.332,-33.644) ; v1(10.357,-35.055) 4.75,-35.055
  Top Copper w0.762: R6.1@0.4,-29.1 0.4,-30.4 -0.2,-31 TP19.1@-0.2,-33.526 1.329,-35.055
  Bottom Layer w0.152: J10.A9@4.574,-31.624 J10.A9@4.5,-31.55 4.5,-31.75 4.574,-31.824 4.579,-31.824 4.668,-31.913 4.668,-32.115 4.75,-32.197 v2(4.75,-32.266) J10.B4@4.75,-32.85 J10.B4@4.752,-32.852
  Bottom Layer w0.158: J10.B9@7.25,-32.85 v2(7.25,-32.266) 7.298,-32.218 7.298,-32.008 7.429,-31.876 7.429,-31.621 J10.A4@7.5,-31.55
  Bottom Layer w0.203: v1(15.388,-27.06) 15.388,-26.02 TP8.1@19.069,-22.339 19.069,-9.734 17.735,-8.4 J1.53@16.54,-8.4
  Bottom Layer w0.508: v1(10.332,-33.644) 10.357,-33.669 v1(10.357,-35.055)
VBUS_DET: C37.2 R15.2 R17.2 U6.5 | length 5.3
  Top Copper w0.127: C37.2@12.349,-23.145 12.352,-23.149 12.352,-23.571 12.533,-23.751 12.73,-23.948 12.73,-24.63 13.35,-25.25 R15.2@13.65,-25.25 ; U6.5@12.375,-26.35 12.392,-26.367 12.57,-26.367 12.778,-26.575 13.325,-26.575 R17.2@13.65,-26.25
  Top Copper w0.381: R17.2@13.65,-26.25 R15.2@13.65,-25.25
VDD_5V: C13.2 C14.2 C16.2 C17.2 C19.2 C21.2 C36.2 C38.2 J1.47 J1.48 J1.49 J1.50 J1.51 J1.52 J1.54 J8.P2 R5.2 R6.2 R20.2 R21.2 R31.2 R32.2 R33.2 R34.2 TP5.1 TP7.1 U1.3 U1.4 U2.1 U2.3 U3.1 U3.3 U4.1 U4.8 U6.12 U8.1 U8.3 | length 169
  Top Copper w0.127: R5.2@-1.6,-27.5 -0.6,-27.5 R6.2@0.4,-27.5 ; U4.1@-1.51,-18.9 U4.1@-1.4,-18.9 ; U1.4@0.285,-22.33 0.185,-22.23 0.185,-22.22 0.185,-21.995 0.185,-21.77 U1.3@0.285,-21.67 0.4,-21.555 C16.2@0.4,-20.3 ; U6.12@10.752,-27.177 10.779,-27.15 U6.12@10.875,-27.15 ; v1(16.123,-28.875) 16.5,-29.251 R31.2@16.5,-29.65 R32.2@17.4,-29.65 ; v1(16.415,-26.696) 16.461,-26.65 R33.2@17.3,-26.65 ; v1(16.498,-24.193) 16.913,-23.778 17.172,-23.778 R34.2@17.3,-23.65 ; v1(17.512,-9.206) 17.585,-9.133 17.801,-9.133 TP7.1@18.392,-8.543
  Top Copper w0.254: C17.2@-16.5,-13.675 -15.15,-13.675 U2.1@-15.1,-13.625 -15.05,-13.675 -14.225,-13.675 -14,-13.9 -14,-14.65 ; C38.2@-16.5,-11.2 -16.5,-9.85 U8.1@-16.45,-9.8 -16.45,-8.975 -16.175,-8.7 -15.425,-8.7 -15.15,-8.975 U8.3@-15.15,-9.8 v1(-13.8,-9.8) ; U2.3@-15.1,-14.925 -14.275,-14.925 -14,-14.65 ; TP5.1@-14,-17.1 v1(-14,-15.875) -14,-14.65 ; v1(-12.1,-8.3) U3.3@-11.225,-8.3 -11.225,-9.125 -10.95,-9.4 -10.2,-9.4 -9.925,-9.125 U3.1@-9.925,-8.3 -9.925,-6.95 C19.2@-9.975,-6.9 ; C21.2@-3.3,-19.85 U4.8@-3.3,-18.9 ; C21.2@-3.2,-20 C21.2@-3.25,-19.95 -3.25,-19.85 -2.963,-19.563 -2.863,-19.563 -2.55,-19.25 -1.75,-19.25 -1.586,-19.086 -1.586,-18.976 U4.1@-1.51,-18.9 ; -0.6,-27.5 -0.6,-29.965 -1.451,-30.816 -1.451,-33.766 v1(0.224,-35.441) ; -0.6,-22 -0.595,-21.995 0.185,-21.995 ; C36.2@9.425,-28 9.608,-27.817 9.8,-27.817 9.841,-27.776 v1(10.7,-27.776) ; U6.12@10.752,-27.177 10.752,-27.273 10.7,-27.325 v1(10.7,-27.776) ; R20.2@10.9,-28.7 10.85,-28.7 10.702,-28.552 10.702,-28.502 10.7,-28.5 v1(10.7,-27.776) ; R21.2@12.5,-28.7 v1(12.5,-27.9)
  Top Copper w0.508: -3.2,-21.7 C21.2@-3.2,-20 ; -2.6,-22.3 -2.3,-22 -0.6,-22
  Top Copper w0.517: -7.2,-22.275 -4,-22.275 -3.775,-22.275 -3.2,-21.7 -2.6,-22.3 -1.3,-23.6 C13.2@-1.3,-25 -1.3,-27.2 R5.2@-1.6,-27.5 ; C14.2@0.1,-25 0.1,-27.2 R6.2@0.4,-27.5
  Layer 3 w0.254: v1(0.224,-35.441) 2.078,-35.441 2.302,-35.666 12.237,-35.666 13.305,-34.598 13.305,-34.443 13.941,-33.807 v1(13.941,-32.002)
  Bottom Layer w0.127: J1.47@16.54,-9.6 16.524,-9.584 13.476,-9.584 J1.48@13.46,-9.6 12.2,-9.6 12.1,-9.5 12.1,-9.126 ; J1.51@16.54,-8.8 15.1,-8.8 14.719,-8.419 13.479,-8.419 J1.54@13.46,-8.4 12.2,-8.4 12.1,-8.5 12.1,-8.726 ; v1(17.512,-9.206) 17.505,-9.2 J1.49@16.54,-9.2 14.8,-9.2 ; 12.1,-9.126 12.1,-8.726 ; 12.1,-9.126 12.174,-9.2 J1.50@13.46,-9.2 14.8,-9.2 ; 12.1,-8.726 12.174,-8.8 J1.52@13.46,-8.8 14.4,-8.8 14.8,-9.2
  Bottom Layer w0.254: v1(10.7,-27.776) 10.7,-27.842 11.589,-28.731 ; v1(12.5,-27.9) 11.669,-28.731 11.589,-28.731 ; v1(13.941,-32.002) 13.931,-31.992 13.931,-30.276 ; v1(16.123,-28.875) 15.345,-29.653 14.554,-29.653 ; v1(16.415,-26.696) 16.415,-27.218 15.526,-28.108 14.579,-28.108 ; v1(16.498,-24.193) 14.579,-26.112 14.579,-28.108 ; 11.589,-28.731 11.589,-29.478 12.386,-30.276 13.931,-30.276 ; 13.931,-30.276 14.554,-29.653 ; 14.554,-29.653 14.579,-29.628 14.579,-28.108
  Bottom Layer w1: J8.P2@-15.5,-28.5 -13.2,-26.2 -13.2,-19.3 -14,-18.5 v1(-14,-15.875) -14,-10 v1(-13.8,-9.8) -13.4,-10.2 -8.4,-10.2 -7.3,-9.1 -7.3,-6.1 -5.5,-4.3 6.5,-4.3 11.7,-9.5 12.1,-9.5
  other v1: -6,-23 -5,-23 -4,-23 -6,-22 -5,-22 -4,-22
pads on no net: FID1.1 FID2.1 FID3.1 FID4.1 FID5.1 FID6.1 J2.16 J2.21 J2.22 J7. J7.0 J10.A8 J10.B8 U2.4 U3.4 U4.6 U5.1 U5.10 U6.9 U8.4

## Polygon pours and split planes (outlines as drawn)
GND on Top Copper "GND_L01_P015" (solid, remove dead copper, pour order 15): -21,-10 ccw(c-24,-10) -24,-7 -47,-7 cw(c-47,-4) -50,-4 -50,4 cw(c-47,4) -47,7 47,7 cw(c47,4) 50,4 50,-4 cw(c47,-4) 47,-7 24,-7 ccw(c24,-10) 21,-10 21,-36 cw(c18,-36) 18,-39 -18,-39 cw(c-18,-36) -21,-36
VDD_5V on Top Copper "VDD_5V_L01_P014" (solid, remove dead copper, pour order 14): -2.1,-27.95 1.525,-27.95 1.525,-24.232 -0.129,-22.578 -0.129,-21.408 -0.712,-20.826 -6.803,-20.826 -7.555,-21.578 -7.555,-23.932 -7.191,-24.296 -3.842,-24.296 -3.478,-24.66 -3.478,-26.572
NetJ7_1 on Top Copper "NETJ7_1_L01_P013" (solid, remove dead copper, pour order 13): -1.1,-28.65 -1.1,-29.55 -6.397,-29.55 -8.5,-27.447 -8.5,-25.8 -7.25,-24.55 -4.75,-24.55 -3.5,-25.8 -3.5,-27.25 -2.1,-28.65
GND on Bottom Layer "GND_L04_P019" (solid, remove dead copper, pour order 19): -21,-10 ccw(c-24,-10) -24,-7 -47,-7 cw(c-47,-4) -50,-4 -50,4 cw(c-47,4) -47,7 47,7 cw(c47,4) 50,4 50,-4 cw(c47,-4) 47,-7 24,-7 ccw(c24,-10) 21,-10 21,-36 cw(c18,-36) 18,-39 -18,-39 cw(c-18,-36) -21,-36
VDD_5V on Bottom Layer "VDD_5V_L04_P018" (solid, remove dead copper, pour order 18): -3.003,-21.524 -3.003,-23.219 -3.952,-24.168 -9.309,-24.168 -14.937,-29.796 -16.497,-29.796 -16.497,-11.817 -8.031,-3.351 7.168,-3.351 12.127,-8.31 15.79,-8.31 16.19,-8.71 16.89,-8.71 16.89,-9.69 13.11,-9.69 12.264,-10.536 10.096,-10.536 5.272,-5.713 -4.52,-5.713 -5.286,-6.479 -5.286,-8.324 -3.01,-10.6 -3.01,-21.28
GND on Layer 2 "GND_L02_P016" (solid, remove dead copper, pour order 16): -21,-10 ccw(c-24,-10) -24,-7 -47,-7 cw(c-47,-4) -50,-4 -50,4 cw(c-47,4) -47,7 47,7 cw(c47,4) 50,4 50,-4 cw(c47,-4) 47,-7 24,-7 ccw(c24,-10) 21,-10 21,-36 cw(c18,-36) 18,-39 -18,-39 cw(c-18,-36) -21,-36
GND on Layer 3 "GND_L03_P017" (solid, remove dead copper, pour order 17): -21,-10 ccw(c-24,-10) -24,-7 -47,-7 cw(c-47,-4) -50,-4 -50,4 cw(c-47,4) -47,7 47,7 cw(c47,4) 50,4 50,-4 cw(c47,-4) 47,-7 24,-7 ccw(c24,-10) 21,-10 21,-36 cw(c18,-36) 18,-39 -18,-39 cw(c-18,-36) -21,-36

## Silkscreen, mask and mechanical layers (free items; w line width, h text height)
Top Overlay:
  drawing of 7 lines, arcs and shapes, not listed
  text "RIGHT" at -41.8,4.5 h1.5
  text "LEFT" at 36.8,4.5 h1.5
  text ".project_title  / .revision1" at -28,-3 h2.54
  text "SPI" at -11.1,-3.4 h1.5
  text "3.3V SDIO" at 5.4,-10.9 h1.5
  text "5V" at -17.3,-26 h1.5
  text "-" at -17.2,-27.3 h2
  text "+" at -15.1,-27.5 h2
  text "BRL PWR" at -2.7,-30.5 h1 r90
  text "USB PWR" at 2,-30.5 h1 r90
  text "AUX" at -7.1,-37.9 h1.5 r90
Bottom Overlay:
  drawing of 7 lines, arcs and shapes, not listed
  text "RIGHT" at -43,4.5 h1.5
  text "LEFT" at 47.5,4.5 h1.5
  text "SHUTTER SYNC" at 25.5,0.5 h1.25
  text "FSIN2" at 20.4,-3 h1 r270
  text "FSIN1" at 23.9,-3.15 h1 r270
  text "RUN" at 19.364,-25 h1.5
  text "RST" at 9,-26.1 h1.5
  text "PG" at 18.894,-28 h1.5
  text "5V" at 18.804,-31 h1.5
  text "-" at -17.1,-31.7 h2
  text "+" at -15.4,-31.8 h2
Board:
  the board outline again, w0.1

## Text inside footprints (layer, text, board x,y; h text height)
J3: Top Assembly "Board edge" at 36.4,-6.9 h0.5; Top Assembly "Flex edge" at 36.6,-8.3 h0.5; Bottom Assembly "Board edge" at 38.6,-6.9 h0.5; Bottom Assembly "Flex edge" at 38.4,-8.3 h0.5
J4: Top Overlay "1" at -8.489,-38.46 h1 r90; Top Overlay "9" at -8.489,-31.36 h1 r90
J5: Top Overlay "1" at -13.411,4.85 h1 r270; Top Overlay "9" at -13.382,-2.287 h1 r270
J6: Top Overlay "1" at 5.449,-2.07 h1 r270; Top Overlay "9" at 5.478,-9.207 h1 r270
J7: Bottom Overlay "-" at -12.9,-38.125 h3 r270; Bottom Overlay "+" at -13.2,-30.825 h3 r270; Bottom Overlay "5V" at -12.939,-26.425 h3 r270
J9: Top Assembly "Flex edge" at -38.4,-8.3 h0.5; Top Assembly "Board edge" at -38.6,-6.9 h0.5; Bottom Assembly "Flex edge" at -36.6,-8.3 h0.5; Bottom Assembly "Board edge" at -36.4,-6.9 h0.5
MISC1: Bottom Assembly "BW1099 Module" at -8.75,-8.2 h2 r180
U5: Assembly Notes "Based on 0.125 thick stencil" at 3.2,-26.805 h0.5